# Altium PCB Mainboard.PcbDoc (part 2 of 2)
Units mm, origin at the board's own origin, x right, y up, seen from the top; angles counter-clockwise.
Board outline 100 x 200 mm, 2 copper layers (Top Layer, Bottom Layer); 139 components, 82 nets, 458 pads, 0 vias.
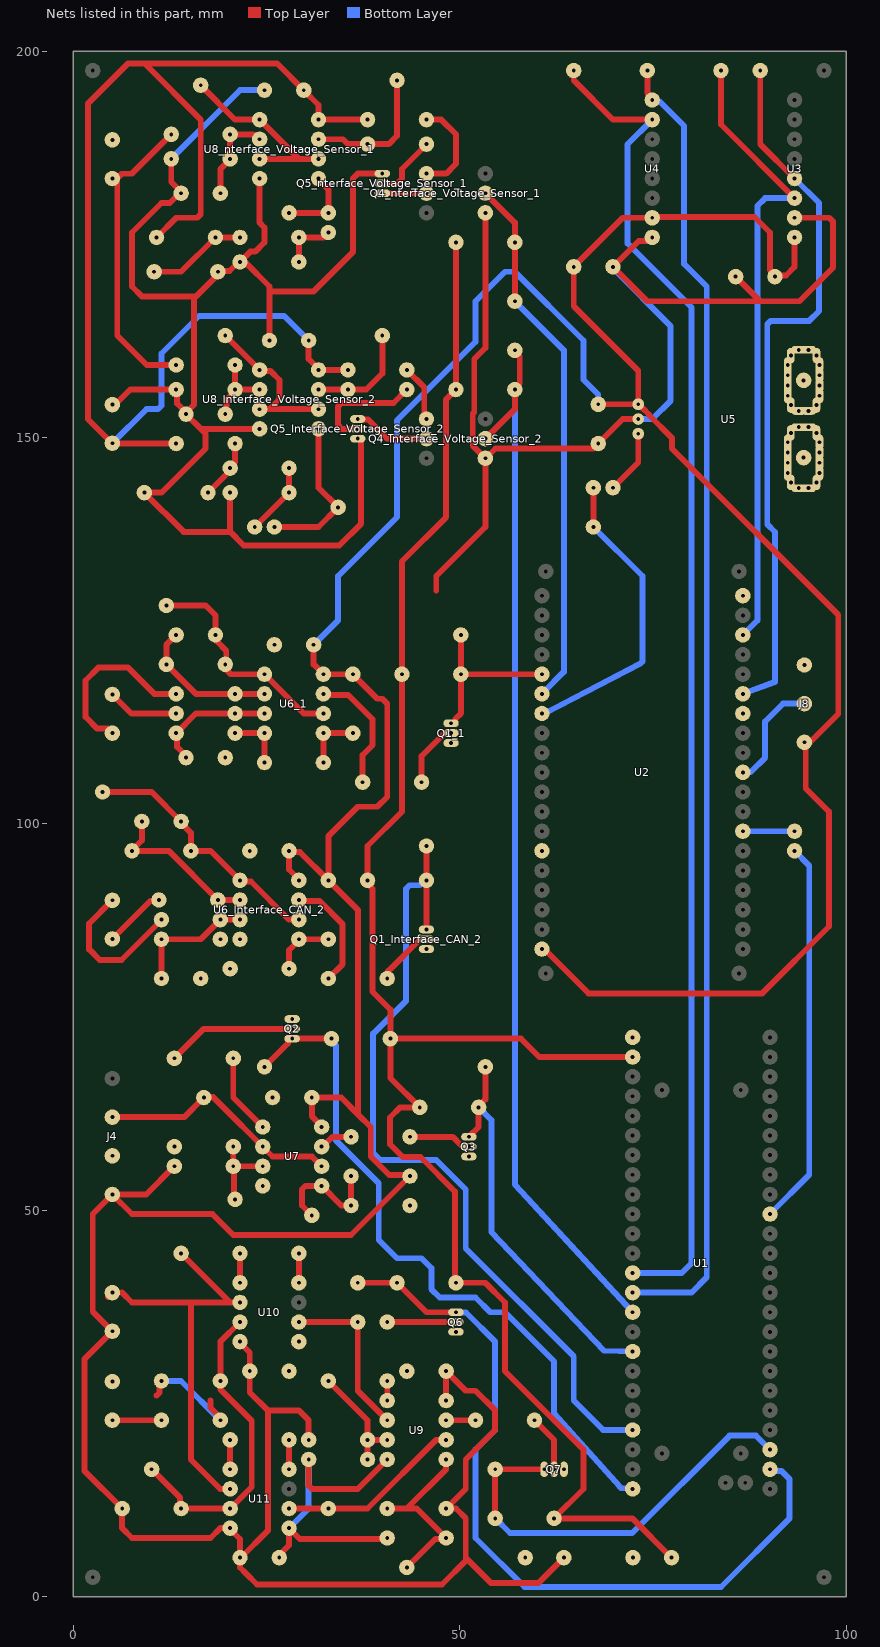
[diagram p2: the nets of this part, all layers, seen from the top]

## Part data
C1 C2 C3 C4_1 C4_Interface_CAN_2 C5_1 C5_Interface_CAN_2 C6_1 C6_Interface_CAN_2 C7 C8_Interface_Voltage_Sensor_2 C8_nterface_Voltage_Sensor_1 C10_Interface_Voltage_Sensor_2 C10_nterface_Voltage_Sensor_1 C11 C12 C13: library part CAP
D2_Interface_Voltage_Sensor_2 D2_nterface_Voltage_Sensor_1: library part CMP-004-00078-1, "Zener Diode, 6.2V V(Z), 4.84%, 0.5W, Silicon, DO-204AA"
P1: "Header, 2-Pin", LatestRevisionDate=17-Jul-2002, LatestRevisionNote="Re-released for DXP Platform.", Publisher="Altium Limited"
Q1_1 Q1_Interface_CAN_2 Q2 Q3 Q5_Interface_Voltage_Sensor_2 Q5_nterface_Voltage_Sensor_1 Q6 Q7: library part NPN, "NPN Bipolar Transistor", Code_JEDEC=TO-226-AA, LatestRevisionDate=17-Jul-2002, LatestRevisionNote="Re-released for DXP Platform.", PackageDescription="TO, Flat Index; 3 In-Line, Axial Leads; Body Dia. 4.8mm; Leads 0.55 x 0.51 mm (max)", PackageReference=TO-226-AA, Published=8-Jun-2000, Publisher="Altium Limited"
Q4_Interface_Voltage_Sensor_2 Q4_nterface_Voltage_Sensor_1: library part CMP-00026-00001-1, "VISHAY 4N25 Transistor Output Optocoupler, 1 Channel, DIP, 6 Pins, 60 mA, 5 kV, 20 %"
R1_1 R1_Interface_CAN_2 R2_1 R2_Interface_CAN_2 R3_1 R3_Interface_CAN_2 R4_1 R4_Interface_CAN_2 R5_1 R5_Interface_CAN_2 R6_1 R6_Interface_CAN_2 R7_1 R7_Interface_CAN_2 R8_1 R8_Interface_CAN_2 R9 R10 R11 R12 R13 R14 R15 R16 R17_Interface_Voltage_Sensor_2 R17_nterface_Voltage_Sensor_1 R18_Interface_Voltage_Sensor_2 R18_nterface_Voltage_Sensor_1 R20_Interface_Voltage_Sensor_2 R20_nterface_Voltage_Sensor_1 R22_Interface_Voltage_Sensor_2 R22_nterface_Voltage_Sensor_1 R23_Interface_Voltage_Sensor_2 R23_nterface_Voltage_Sensor_1 R24_Interface_Voltage_Sensor_2 R24_nterface_Voltage_Sensor_1 R25 R26 R27 R28 R29 R30 R31 R32 R33 R34 R35 R36 R37: "Resistor", LatestRevisionDate=17-Jul-2002, LatestRevisionNote="Re-released for DXP Platform.", PackageDescription="Axial Device, Thru-Hole; 2 Leads; 0.3 in Pin Spacing", PackageReference=AXIAL-0.3, Published=8-Jun-2000, Publisher="Altium Limited"
R19_Interface_Voltage_Sensor_2 R19_nterface_Voltage_Sensor_1 R21_Interface_Voltage_Sensor_2 R21_nterface_Voltage_Sensor_1: library part Res1, "Resistor", LatestRevisionDate=17-Jul-2002, LatestRevisionNote="Re-released for DXP Platform.", PackageDescription="Axial Device, Thru-Hole; 2 Leads; 0.3 in Pin Spacing", PackageReference=AXIAL-0.3, Published=8-Jun-2000, Publisher="Altium Limited"
TP1 TP2 TP3 TP4 TP5 TP6_1 TP6_Interface_CAN_2 TP7_1 TP7_2 TP8 TP9 TP10 TP11 TP12 TP13_Interface_Voltage_Sensor_2 TP13_nterface_Voltage_Sensor_1 TP14_Interface_Voltage_Sensor_2 TP14_nterface_Voltage_Sensor_1 TP15_Interface_Voltage_Sensor_2 TP15_nterface_Voltage_Sensor_1 TP16_Interface_Voltage_Sensor_2 TP16_nterface_Voltage_Sensor_1 TP17 TP18 TP19 TP20 TP21 TP22 TP23 TP24: library part CMP-002-00037-2, "Test Point, Orange, Height 4.6 mm, Tail Length 3 mm, 1-Pin THD, RoHS", Colour=Orange, Manufacturer=Keystone, Package Description="1-Pin Through Hole Device, Dia 2.54 mm", Package Quantity=10, Case/Package=5003, Connector Type=TestPoint, Contact Material=Bronze, Contact Plating=Tin, Datasheet URL=http://keyelco.com/userAssets/file/M65p56.pdf, Datasheet Version=Jun-15, Diameter=2.54mm, Manufacturer URL=http://www.keyelco.com/, Mounting Technology=TH, Package Reference=5003, Packaging=Bulk, Pins=1, RoHS Compliant=True
U1: "Lattice UltraPlus ICE40UP5K FPGA with 5.3K LUTs, 1Mb SPRAM, 120Kb DPRAM, 8 Multipliers"
U2: library part CMP-027-000000-1, "NodeMCU is an open source loT platform. ESP32 is a series of low cost, low powersystem-on-chip (SoC) microcontrollers with integrated Wi-Fi & dual-mode Bluetooth.", Package=Package, Check_prices=https://www.snapeda.com/parts/ESP32%20NODEMCU/Espressif+Systems/view-part/?ref=eda, Component Type=Standard, Design Item ID=ESP32_NODEMCU, MF="Espressif Systems", MP="ESP32 NODEMCU", Pin Count=38, SnapEDA_Link=https://www.snapeda.com/parts/ESP32%20NODEMCU/Espressif+Systems/view-part/?ref=snap, Source=ESP32_NODEMCU.SchLib
U3: "3 Axis Accelerometer Gyroscope Module 6 DOF 6-Axis Acceleration Sensor Gyroscope Sensor Module 16 Bit AD Converter Data Output IIC for Arduino"
U4: "3-axis accelerometer with high resolution (13-bit) measurement at up to ±16 g. Digital output data is formatted as 16-bit twos complement and is accessible through SPI or I2C digital interface."
U5: library part CMP-029-000000-1, "Current Sensor 100A 1 Channel Hall Effect Unidirectional 5-CB Formed Leads, PFF", Package="5-CB-5 Allegro MicroSystems LLC", Arrow_Electronics-Purchase-URL=https://snapeda.com/shop?store=Arrow+Electronics&id=2783431, Availability=Bad, Check_prices=https://www.snapeda.com/parts/ACS772LCB-100U-PFF-T/Allegro%20MicroSystems%20LLC/view-part/2783431/?ref=eda, Component Type=Standard, Design Item ID=ACS772LCB-100U-PFF-T, MF="Allegro MicroSystems LLC", MP=ACS772LCB-100U-PFF-T, Pin Count=37, Price=None, SnapEDA_Link=https://www.snapeda.com/parts/ACS772LCB-100U-PFF-T/Allegro%20MicroSystems%20LLC/view-part/2783431/?ref=snap, Source=ACS772LCB-100U-PFF-T.SchLib
U6_1 U6_Interface_CAN_2 U7 U8_Interface_Voltage_Sensor_2 U8_nterface_Voltage_Sensor_1 U9: library part CMP-014-00023-2, "Dual Operational Amplifier, 3 to 32 V, 0 to 70 degC, 8-Pin PDIP (P), Pb-Free (RoHS), Tube", Case/Package=DIP, Manufacturer="Texas Instruments (TI)", Max Dual Supply Voltage=16V, Max Operating Temperature=70°C, Min Dual Supply Voltage=1.5V, Min Operating Temperature=0°C, Nominal Supply Current=1.2mA, Nominal Supply Voltage=5V, Nominal Voltage Gain=100dB, Output Current=30mA, Package Description="8-Pin Double In-line Package, Body 9.59 x 6.35 mm, Pitch 2.54 mm", Package Quantity=50, Package Reference=P0008A, Package Version="4040082/E, 04/2010", Channels=2, Common Mode Rejection Ratio=65dB, Datasheet URL=http://www.ti.com/lit/ds/symlink/lm358a.pdf, Datasheet Version="SLOS068T, 04/2015", Manufacturer URL=http://www.ti.com/, Max Supply Voltage=16V, Min Supply Voltage=1.5V, Mounting Technology=TH, Nominal Gain Bandwith Product=700KHz, Package URL=http://www.ti.com/lit/ml/mpdi001b/mpdi001b.pdf, Packaging=Rail/Tube, Pins=8, RoHS Compliant=True, Slew Rate=0.3V/us, Unity Gain Bandwidth Product=700KHz
U10 U11: library part CMP-014-00006-1, "Instrumentation Amplifier, 1 Func, 250uV Offset-Max, 0.12MHz Band Width, PDIP8", Average Bias Current-Max (IIB)=-25nA, Case/Package=DIP, Input Offset Current-Max (IIO)=2nA, Input Offset Voltage-Max=250uV, Max Operating Temperature=85°C, Max Supply Current=85uA, Min Operating Temperature=-40°C, Neg Supply Voltage Limit-Max=-18V, Nominal Supply Voltage=15V, Package Body Material=Plastic, Package Equivalence Code=DIP8,.3, Package Shape=Rectangular, Package Style=IN-LINEMeter, Power Supplies=2.2/36/+-18V, Supply Voltage Limit-Max=18V, Temperature Grade=INDUSTRIAL, Voltage Gain-Max=10000, Voltage Gain-Min=5, Voltage Gain-Nom=100, Amplifier Type="INSTRUMENTATION AMPLIFIER", Bandwidth (3dB)-Nom=120kHz, Channels=1, Common Mode Rejection Ratio-Min=83dB, Height - Seated (Max)=5.08mm, JESD-30 Code=R-PDIP-T8, JESD-609 Code=e4, Length=9.81mm, Non-linearity-Max=0.012%, Pins=8, Qualification Status="Not Qualified", Reach SVHC Compliant=Yes, RoHS Compliant=Yes, Slew Rate=0.08V/µs, Surface Mount=No, Terminal Finish=Nickel, Terminal Form="Through Hole", Terminal Pitch=2.54mm, Terminal Position=DUAL, Width=7.62mm

## Free pads (board coordinates)
  round 2 hole 0.5: 2(2.54,2.54) 2(2.54,197.485) 2(97.155,2.54) 2(97.155,197.485)

## Nets (pads, with @x,y where several pads share a name; then routed paths per layer and width w, separated by ;. In a path a pad name is that pad's centre, name@x,y a point inside that pad or via, vN(x,y) a via of type N, cw(c..) or ccw(c..) an arc to the next point about the centre after c; other vN are vias at no path point)
+3.3V: J5.2 R2_1.2 R2_Interface_CAN_2.2 R9.2 R13.2 R18_Interface_Voltage_Sensor_2.2 R18_nterface_Voltage_Sensor_1.2 R25.2 R33.2 U1.2 | length 240.9
  Top Layer w0.762: R18_nterface_Voltage_Sensor_1.2@49.53,175.26 R18_Interface_Voltage_Sensor_2.2@49.53,156.21 48.26,154.94 48.26,139.7 42.545,133.985 R2_1.2@42.545,119.38 42.545,101.6 38.1,97.155 R2_Interface_CAN_2.2@38.1,92.71 38.222,92.588 38.222,92.137 38.735,91.624 38.735,78.312 41.045,76.002 R9.2@41.045,72.226 ; U1.2@72.39,69.85 60.325,69.85 57.949,72.226 R9.2@41.045,72.226 ; J5.2@77.43,5.08 72.35,10.16 R33.2@62.23,10.16 66.04,13.97 66.04,19.05 55.88,29.21 55.88,38.1 53.34,40.64 R25.2@49.53,40.64 49.411,40.759 49.411,52.43 44.938,56.903 42.666,56.903 41.008,58.561 41.008,62.029 42.315,63.336 R13.2@44.855,63.336 41.045,67.146 R9.2@41.045,72.226
+5V: C1.1 C2.1 C3.1 C5_1.1 C5_Interface_CAN_2.1 C7.1 C11.1 C12.1 C13.1 J3.2 J4.4 J8.1 J11.2 R6_1.1 R6_Interface_CAN_2.1 R11.1 R15.1 R26.2 R28.1 R35.1 U2.J5_1 U3.1 U4.2 U5.1 U6_1.8 U6_Interface_CAN_2.8 U7.8 U9.8 U10.4 U11.4 | length 627.1
  Top Layer w0.762: R11.1@13.105,55.716 9.458,52.07 J4.4@5.08,52.07 ; U10.4@21.59,33.02 21.59,32.883 22.86,31.613 C11.1@22.86,29.21 22.86,26.451 25.181,24.13 25.238,24.13 ; U6_Interface_CAN_2.8@29.21,92.71 29.21,92.847 27.94,94.117 C5_Interface_CAN_2.1@27.94,96.52 28.096,96.364 29.366,96.364 R6_Interface_CAN_2.1@33.02,92.71 ; R28.1@30.48,20.32 30.48,22.86 29.21,24.13 25.238,24.13 ; C5_1.1@31.115,123.19 31.115,120.65 U6_1.8@32.385,119.38 R6_1.1@36.195,119.38 39.37,116.205 40.005,116.205 40.64,115.57 40.64,103.505 39.37,102.235 36.83,102.235 33.02,98.425 R6_Interface_CAN_2.1@33.02,92.71 ; U7.8@32.155,60.796 32.155,60.933 30.885,62.203 C7.1@30.885,64.606 34.695,64.606 36.839,62.461 ; U9.8@48.26,25.4 C13.1@48.26,29.21 50.8,26.67 52.07,26.67 54.61,24.13 54.61,21.59 50.8,17.78 50.8,13.97 R35.1@48.26,11.43 49.53,11.43 50.8,10.16 50.8,5.08 ; U2.J5_1@60.96,83.82 66.692,78.088 89.148,78.088 97.79,86.73 97.79,101.6 94.79,104.6 J8.1@94.79,110.57 ; J3.2@63.5,5.08 60.194,1.774 54.106,1.774 51.005,4.875 50.8,5.08 ; C3.1@67.945,154.305 67.947,154.307 73.117,154.307 U5.1@73.12,154.31 ; C1.1@90.805,170.815 90.961,170.971 92.231,170.971 93.345,172.085 U3.1@93.345,175.895 ; C1.1@90.805,171.033 90.17,171.668 90.17,176.53 88.173,178.527 75.022,178.527 U4.2@74.93,178.435 71.12,178.435 C2.1@64.77,172.085 64.77,167.005 73.12,158.655 U5.1@73.12,154.31 ; J8.1@94.615,110.57 J8.1@94.79,110.57 ; J4.4@5.08,52.07 7.62,49.53 18.021,49.53 20.725,46.826 35.965,46.826 R15.1@43.585,54.446 43.465,54.566 40.925,54.566 38.505,56.986 38.505,60.796 36.839,62.461 ; J4.4@5.08,52.07 2.54,49.53 2.54,36.91 J11.2@5.08,34.37 1.453,30.743 1.453,16.327 R26.2@6.35,11.43 6.35,8.89 7.62,7.62 17.78,7.62 19.05,8.89 U11.4@20.32,8.89 20.32,8.753 21.59,7.483 C12.1@21.59,5.08 C12.1@21.59,4.957 ; C12.1@21.59,4.957 25.238,8.605 25.238,24.13 ; C12.1@21.59,4.957 21.59,3.81 22.323,3.077 23.802,1.598 47.728,1.598 50.8,4.67 50.8,5.08 ; R6_Interface_CAN_2.1@33.02,92.71 36.839,88.891 36.839,62.461 ; U5.1@73.12,154.31 73.645,153.785 73.694,153.785 74.505,152.974 74.505,152.925 77.47,149.96 77.47,148.581 98.992,127.059 98.992,114.223 95.339,110.57 J8.1@94.79,110.57
  Bottom Layer w0.762: C5_1.1@31.115,123.19 34.29,126.365 34.29,132.08 41.91,139.7 41.91,152.224 52.07,162.384 52.07,167.64 55.88,171.45 57.15,171.45 66.04,162.56 66.04,157.48 67.945,155.575 C3.1@67.945,154.305
ACC1_I2C_SCL: TP1.1 U2.J4_6 U3.4 | length 92.8
  Top Layer w0.762: TP1.1@88.9,197.485 88.9,187.96 U3.4@93.345,183.515
  Bottom Layer w0.762: U2.J4_6@86.66,116.84 90.805,118.375 90.805,137.768 89.804,138.769 89.804,164.654 90.251,165.1 95.25,165.1 96.52,166.37 96.52,180.34 U3.4@93.345,183.515
ACC1_I2C_SDA: TP2.1 U2.J4_3 U3.3 | length 82
  Top Layer w0.762: TP2.1@83.82,197.485 83.82,190.5 U3.3@93.345,180.975
  Bottom Layer w0.762: U2.J4_3@86.66,124.46 88.542,126.342 88.542,179.982 89.535,180.975 U3.3@93.345,180.975
ACC2_I2C_SCL: TP3.1 U1.14 U4.8 | length 170.2
  Top Layer w0.762: TP3.1@74.295,197.485 74.295,194.564 74.93,193.929 U4.8@74.93,193.675
  Bottom Layer w0.762: U1.14@72.39,39.37 80.01,39.37 81.986,41.346 81.986,169.532 79.041,172.477 79.041,190.335 75.881,193.496 75.109,193.496 U4.8@74.93,193.675
ACC2_I2C_SDA: TP4.1 U1.13 U4.7 | length 174.4
  Top Layer w0.762: TP4.1@64.77,197.485 64.77,196.215 69.85,191.135 U4.7@74.93,191.135
  Bottom Layer w0.762: U1.13@72.39,41.91 78.74,41.91 80.01,43.18 80.01,166.847 71.735,175.122 71.735,187.94 U4.7@74.93,191.135
CAN_1_H: J7.2 R3_1.1 | length 22.9
  Top Layer w0.762: J7.2@5.08,111.76 4.508,112.332 3.125,112.332 1.594,113.863 1.594,118.561 3.259,120.227 7.117,120.227 10.503,116.84 R3_1.1@13.335,116.84
CAN_1_L: J7.1 R5_1.1 | length 9.3
  Top Layer w0.762: J7.1@5.08,116.76 7.54,114.3 R5_1.1@13.335,114.3
CAN_2_H: J10.2 R3_Interface_CAN_2.1 | length 8.1
  Top Layer w0.762: J10.2@5.08,85.13 9.998,90.048 10.982,90.048 R3_Interface_CAN_2.1@11.104,90.17
CAN_2_L: J10.1 R5_Interface_CAN_2.1 | length 19.7
  Top Layer w0.762: J10.1@5.08,90.13 2.074,87.124 2.074,83.783 3.451,82.405 6.259,82.405 R5_Interface_CAN_2.1@11.43,87.576
CAN_DATA.CAN_DIG_1: Q1_1.1 R2_1.1 TP6_1.1 U2.J5_15 | length 22.4
  Top Layer w0.762: Q1_1.1@48.895,113.03 49.331,113.03 49.441,113.14 49.441,113.576 50.203,114.338 R2_1.1@50.203,119.085 ; TP6_1.1@50.165,124.46 R2_1.1@50.165,119.38 U2.J5_15@60.66,119.38
CAN_DATA.CAN_DIG_2: Q1_Interface_CAN_2.1 R2_Interface_CAN_2.1 TP6_Interface_CAN_2.1 U1.21 | length 106.2
  Top Layer w0.762: Q1_Interface_CAN_2.1@45.72,86.36 R2_Interface_CAN_2.1@45.72,92.71 TP6_Interface_CAN_2.1@45.72,97.155 TP6_Interface_CAN_2.1@45.82,97.055
  Bottom Layer w0.762: R2_Interface_CAN_2.1@45.72,92.71 45.466,92.71 44.831,92.075 43.53,92.075 43.084,91.629 43.084,77.133 38.822,72.872 38.822,57.439 39.746,56.515 46.99,56.515 50.8,52.705 50.8,45.085 64.77,31.115 64.77,25.4 68.58,21.59 U1.21@72.39,21.59
CAN_DIFF_Interface_CAN_1: C4_1.2 R1_1.2 TP7_1.1 U6_1.1 U6_1.6 | length 29.4
  Top Layer w0.762: TP7_1.1@12.065,128.27 17.145,128.27 18.415,127 C4_1.2@18.415,124.46 18.571,124.304 18.571,123.669 19.807,122.433 19.807,119.963 20.39,119.38 U6_1.1@24.765,119.38 29.845,114.3 U6_1.6@32.385,114.3
CAN_DIFF_Interface_CAN_2: C4_Interface_CAN_2.2 R1_Interface_CAN_2.2 TP7_2.1 U6_Interface_CAN_2.1 U6_Interface_CAN_2.6 | length 33.7
  Top Layer w0.762: TP7_2.1@3.81,104.14 10.16,104.14 C4_Interface_CAN_2.2@13.97,100.33 13.97,100.14 15.24,98.87 R1_Interface_CAN_2.2@15.24,96.52 17.78,96.52 21.751,92.549 23.021,92.549 27.94,87.63 U6_Interface_CAN_2.6@29.21,87.63
CUR_1_VAL: J1.2 TP5.1 U2.J5_13 | length 39.5
  Top Layer w0.762: TP5.1@67.31,138.43 J1.2@67.31,143.51
  Bottom Layer w0.762: U2.J5_13@60.96,114.3 73.354,120.731 73.437,120.815 73.66,121.038 73.66,132.08 TP5.1@67.31,138.43
CUR_2_VAL: J4.2 TP10.1 U7.2 U7.6 | length 31.9
  Top Layer w0.762: J4.2@5.08,62.07 14.378,62.07 TP10.1@16.915,64.606 16.973,64.665 18.126,64.665 25.805,56.986 30.885,56.986 U7.6@32.155,55.716
CUR_DATA.CUR_DIG.DNGR: Q2.1 R9.1 TP8.1 U1.24 | length 91.1
  Top Layer w0.762: TP8.1@24.765,68.58 27.799,71.614 27.799,72.116 27.909,72.226 Q2.1@28.345,72.226 R9.1@33.425,72.226
  Bottom Layer w0.762: R9.1@33.425,72.226 33.425,71.891 33.998,71.318 33.998,59.084 39.544,53.537 39.544,46.181 41.91,43.815 45.085,43.815 46.355,42.545 46.355,39.816 47.436,38.735 52.07,38.735 53.975,36.83 55.88,36.83 62.23,30.48 62.23,23.708 70.705,14.286 70.926,14.065 U1.24@72.391,13.987
CUR_DATA.CUR_DIG.WARN: Q3.1 R13.1 TP9.1 U1.17 | length 52.1
  Top Layer w0.762: Q3.1@51.75,59.636 51.64,59.526 Q3.1@51.205,59.526 52.475,60.796 R13.1@52.475,63.27 ; R13.1@52.475,63.336 52.475,63.509 53.34,64.374 TP9.1@53.34,68.58
  Bottom Layer w0.762: R13.1@52.475,63.336 54.119,61.692 54.119,47.227 68.686,31.85 U1.17@72.39,31.75
DATA: J8.2 U2.J4_10 | length 14.4
  Bottom Layer w0.762: U2.J4_10@86.66,106.68 86.699,106.719 87.669,106.719 89.535,108.585 89.535,113.255 91.85,115.57 J8.2@94.615,115.57
GKART: C8_Interface_Voltage_Sensor_2.2 C8_nterface_Voltage_Sensor_1.2 C10_Interface_Voltage_Sensor_2.2 C10_nterface_Voltage_Sensor_1.2 D2_Interface_Voltage_Sensor_2.2 D2_nterface_Voltage_Sensor_1.2 J9.1 Q5_Interface_Voltage_Sensor_2.3 Q5_nterface_Voltage_Sensor_1.3 R21_Interface_Voltage_Sensor_2.1 R21_nterface_Voltage_Sensor_1.1 R24_Interface_Voltage_Sensor_2.1 R24_nterface_Voltage_Sensor_1.1 U8_Interface_Voltage_Sensor_2.4 U8_nterface_Voltage_Sensor_1.4 | length 204.4
  Top Layer w0.762: J9.1@5.08,154.265 5.458,154.265 7.403,156.21 R21_Interface_Voltage_Sensor_2.1@13.335,156.21 13.457,156.088 13.457,154.403 14.605,153.255 C10_Interface_Voltage_Sensor_2.2@14.605,153.035 ; R21_nterface_Voltage_Sensor_1.1@12.7,186.055 12.7,183.07 13.97,181.8 C10_nterface_Voltage_Sensor_1.2@13.97,181.61 13.78,181.61 12.51,180.34 11.43,180.34 7.62,176.53 7.62,169.545 8.89,168.275 15.922,168.275 18.632,170.984 18.632,171.357 18.818,171.543 20.241,171.543 21.417,172.72 R24_nterface_Voltage_Sensor_1.1@21.59,172.72 ; 15.636,168.036 15.636,154.261 14.605,153.23 C10_Interface_Voltage_Sensor_2.2@14.605,153.035 ; R24_Interface_Voltage_Sensor_2.1@20.32,142.875 20.32,137.795 ; U8_Interface_Voltage_Sensor_2.4@24.13,151.13 16.51,151.13 ; U8_nterface_Voltage_Sensor_1.4@24.13,183.515 24.13,177.8 24.765,177.165 24.765,175.26 23.556,174.051 22.921,174.051 R24_nterface_Voltage_Sensor_1.1@21.59,172.72 ; C8_Interface_Voltage_Sensor_2.2@25.182,162.56 C8_Interface_Voltage_Sensor_2.2@25.4,162.56 25.4,168.91 ; Q5_Interface_Voltage_Sensor_2.3@36.83,149.86 37.154,149.86 37.264,149.75 37.264,138.864 34.431,136.031 22.084,136.031 20.32,137.795 ; Q5_nterface_Voltage_Sensor_1.3@40.005,184.15 36.83,184.15 36.195,183.515 36.195,173.99 31.115,168.91 25.4,168.91 ; C10_Interface_Voltage_Sensor_2.2@14.605,153.035 16.51,151.13 ; 16.51,151.13 17.145,150.495 17.145,148.59 11.43,142.875 D2_Interface_Voltage_Sensor_2.2@9.215,142.875 14.295,137.795 20.32,137.795 ; R24_nterface_Voltage_Sensor_1.1@21.59,172.72 21.712,172.598 22.347,172.598 25.402,169.543 25.402,168.912 25.4,168.91
  Bottom Layer w0.762: R21_nterface_Voltage_Sensor_1.1@12.7,186.055 21.59,194.945 C8_nterface_Voltage_Sensor_1.2@24.765,194.945
GND: C1.2 C2.2 C3.2 C5_1.2 C5_Interface_CAN_2.2 C6_1.2 C6_Interface_CAN_2.2 C7.2 C11.2 C12.2 C13.2 J3.1 J4.3 J5.1 J8.3 J12.1 Q1_1.3 Q1_Interface_CAN_2.3 Q2.3 Q3.3 Q4_Interface_Voltage_Sensor_2.4 Q4_nterface_Voltage_Sensor_1.4 Q6.3 Q7.3 R7_1.1 R7_Interface_CAN_2.1 R8_1.2 R8_Interface_CAN_2.2 R12.1 R16.1 R29.1 R30.1 R31.1 R36.1 U1.1 U2.J4_1 U2.J4_7 U2.J5_6 U3.2 U4.1 U5.2 U6_1.4 U6_Interface_CAN_2.4 U7.4 U9.4 U10.5 U11.5 | length 220.4
  Top Layer w0.762: 10.795,26.035 11.193,26.433 11.193,27.703 R30.1@11.43,27.94 ; 17.78,25.4 17.78,24.465 19.05,23.195 R31.1@19.05,22.86 ; R7_1.1@20.955,111.76 U6_1.4@24.765,111.76 R8_1.2@24.765,107.95 ; C12.2@26.67,5.08 26.67,5.415 27.94,6.685 U11.5@27.94,8.89 29.337,7.493 40.513,7.493 R36.1@40.64,7.62 ; Q2.3@28.299,74.812 Q2.3@28.345,74.766 ; R29.1@30.48,17.78 30.48,14.416 30.926,13.97 36.823,13.97 40.633,17.78 U9.4@40.64,17.78 ; 46.99,130.175 46.99,132.08 53.34,138.43 Q4_Interface_Voltage_Sensor_2.4@53.34,147.32 ; Q6.3@49.484,34.244 Q6.3@49.53,34.29 ; Q4_nterface_Voltage_Sensor_1.4@53.34,179.07 53.34,161.594 51.905,160.159 51.905,153.277 51.705,153.077 51.705,148.955 Q4_Interface_Voltage_Sensor_2.4@53.34,147.32 ; Q7.3@63.485,16.495 Q7.3@63.5,16.51 ; U5.2@73.12,152.4 71.12,152.4 C3.2@67.945,149.225 67.31,148.59 54.641,148.59 53.371,147.32 Q4_Interface_Voltage_Sensor_2.4@53.34,147.32 ; U4.1@74.93,175.895 74.461,175.426 73.191,175.426 C2.2@69.85,172.085 74.295,167.64 88.9,167.64 ; C1.2@85.725,170.815 88.9,167.64 ; U3.2@93.345,178.435 97.82,178.435 98.334,177.921 98.334,171.994 93.98,167.64 88.9,167.64
  Bottom Layer w0.762: R30.1@11.43,27.94 13.97,27.94 R31.1@19.05,22.86 ; U11.5@27.94,8.89 30.48,11.43 R29.1@30.48,17.78 ; C2.2@69.85,172.085 69.85,171.865 77.311,164.404 77.311,154.781 74.93,152.4 U5.2@73.12,152.4
I_VREF_DNGR: R11.2 R12.2 TP11.1 U7.3 | length 10.7
  Top Layer w0.762: R12.2@20.725,58.256 R11.2@20.725,55.716 ; TP11.1@20.955,51.435 20.84,51.55 20.84,55.601 R11.2@20.725,55.716 ; U7.3@24.535,55.716 R11.2@20.725,55.716
I_VREF_WARN: R15.2 R16.2 TP12.1 U7.5 | length 15.3
  Top Layer w0.762: TP12.1@30.885,49.366 29.615,50.636 29.615,52.73 30.061,53.176 U7.5@32.155,53.176 34.695,50.636 R16.2@35.965,50.636 R15.2@35.965,54.446
INA_DNGR: TP21.1 U9.2 U10.6 | length 21.9
  Top Layer w0.762: U10.6@29.21,35.56 TP21.1@36.83,35.56 36.83,26.67 U9.2@40.64,22.86
INA_WARN: TP22.1 U9.6 U11.6 | length 24
  Top Layer w0.762: U11.6@27.94,11.43 TP22.1@33.02,11.43 38.1,11.43 46.99,20.32 U9.6@48.26,20.32
KVCC_Interface_Voltage_Sensor_2: C8_Interface_Voltage_Sensor_2.1 C8_nterface_Voltage_Sensor_1.1 J9.2 R17_Interface_Voltage_Sensor_2.2 R17_nterface_Voltage_Sensor_1.2 R22_Interface_Voltage_Sensor_2.1 R22_nterface_Voltage_Sensor_1.1 U8_Interface_Voltage_Sensor_2.8 U8_nterface_Voltage_Sensor_1.8 | length 171.2
  Top Layer w0.762: J9.2@5.08,149.225 1.905,152.4 1.905,193.188 7.132,198.416 9.229,198.416 ; J9.2@5.08,149.265 5.1,149.245 13.315,149.245 R22_Interface_Voltage_Sensor_2.1@13.335,149.225 ; R22_nterface_Voltage_Sensor_1.1@10.795,175.895 13.335,178.435 16.064,178.435 16.51,178.881 16.51,191.135 9.229,198.416 ; C8_Interface_Voltage_Sensor_2.1@30.48,162.56 30.48,160.157 31.75,158.887 U8_Interface_Voltage_Sensor_2.8@31.75,158.75 R17_Interface_Voltage_Sensor_2.2@35.56,158.75 ; R17_nterface_Voltage_Sensor_1.2@38.1,191.135 U8_nterface_Voltage_Sensor_1.8@31.75,191.135 31.75,193.04 C8_nterface_Voltage_Sensor_1.1@29.845,194.945 26.374,198.416 9.229,198.416
  Bottom Layer w0.762: J9.2@5.08,149.265 9.485,153.67 10.984,153.67 11.43,154.116 11.43,160.868 16.297,165.735 27.305,165.735 C8_Interface_Voltage_Sensor_2.1@30.48,162.56
NetC4_Interface_CAN_1_1: C4_1.1 R1_1.1 R3_1.2 U6_1.2 | length 18.6
  Top Layer w0.762: C4_1.1@13.335,124.46 12.065,123.19 R1_1.1@12.065,120.65 15.875,116.84 R3_1.2@20.955,116.84 U6_1.2@24.765,116.84
NetC4_Interface_CAN_2_1: C4_Interface_CAN_2.1 R1_Interface_CAN_2.1 R3_Interface_CAN_2.2 U6_Interface_CAN_2.2 | length 20.9
  Top Layer w0.762: C4_Interface_CAN_2.1@8.89,100.33 8.89,97.856 7.62,96.586 R1_Interface_CAN_2.1@7.62,96.52 12.374,96.52 R3_Interface_CAN_2.2@18.724,90.17 U6_Interface_CAN_2.2@21.59,90.17
NetC6_Interface_CAN_1_1: C6_1.1 R5_1.2 R7_1.2 U6_1.3 | length 16.2
  Top Layer w0.762: C6_1.1@14.605,108.585 14.605,108.805 13.457,109.953 13.457,111.638 R7_1.2@13.335,111.76 15.875,114.3 R5_1.2@20.955,114.3 U6_1.3@24.765,114.3
NetC6_Interface_CAN_2_1: C6_Interface_CAN_2.1 R5_Interface_CAN_2.2 R7_Interface_CAN_2.2 U6_Interface_CAN_2.3 | length 16.3
  Top Layer w0.762: C6_Interface_CAN_2.1@11.43,80.01 R7_Interface_CAN_2.2@11.43,85.09 16.51,85.09 R5_Interface_CAN_2.2@19.05,87.63 U6_Interface_CAN_2.3@21.59,87.63
NetC10_Interface_Voltage_Sensor_2_1: C10_Interface_Voltage_Sensor_2.1 R19_Interface_Voltage_Sensor_2.2 R21_Interface_Voltage_Sensor_2.2 U8_Interface_Voltage_Sensor_2.2 | length 10.1
  Top Layer w0.762: C10_Interface_Voltage_Sensor_2.1@19.685,153.035 19.841,153.191 19.841,154.923 20.955,156.037 R21_Interface_Voltage_Sensor_2.2@20.955,156.21 ; R19_Interface_Voltage_Sensor_2.2@20.955,159.385 R21_Interface_Voltage_Sensor_2.2@20.955,156.21 ; U8_Interface_Voltage_Sensor_2.2@24.13,156.21 R21_Interface_Voltage_Sensor_2.2@20.955,156.21
NetC10_nterface_Voltage_Sensor_1_1: C10_nterface_Voltage_Sensor_1.1 R19_nterface_Voltage_Sensor_1.2 R21_nterface_Voltage_Sensor_1.2 U8_nterface_Voltage_Sensor_1.2 | length 12.2
  Top Layer w0.762: C10_nterface_Voltage_Sensor_1.1@19.05,181.61 19.05,184.719 20.32,185.989 R21_nterface_Voltage_Sensor_1.2@20.32,186.055 R19_nterface_Voltage_Sensor_1.2@20.32,189.23 23.295,189.23 23.93,188.595 U8_nterface_Voltage_Sensor_1.2@24.13,188.595
NetD2_Interface_Voltage_Sensor_2_1: D2_Interface_Voltage_Sensor_2.1 R22_Interface_Voltage_Sensor_2.2 R23_Interface_Voltage_Sensor_2.1 | length 8.1
  Top Layer w0.762: D2_Interface_Voltage_Sensor_2.1@17.455,142.875 20.198,145.618 20.198,145.928 R23_Interface_Voltage_Sensor_2.1@20.32,146.05 20.32,146.223 20.955,146.858 R22_Interface_Voltage_Sensor_2.2@20.955,149.225 R22_Interface_Voltage_Sensor_2.2@21.265,149.225
NetD2_nterface_Voltage_Sensor_1_1: D2_nterface_Voltage_Sensor_1.1 R22_nterface_Voltage_Sensor_1.2 R23_nterface_Voltage_Sensor_1.1 | length 12.9
  Top Layer w0.762: D2_nterface_Voltage_Sensor_1.1@10.485,171.45 13.97,171.45 R22_nterface_Voltage_Sensor_1.2@18.415,175.895 R23_nterface_Voltage_Sensor_1.1@21.59,175.895
NetJ1_1: J1.1 U5.3 | length 8.3
  Top Layer w0.762: J1.1@69.85,143.51 73.12,146.78 U5.3@73.12,150.49
NetJ2_Interface_Voltage_Sensor_2_1: J2_Interface_Voltage_Sensor_2.1 R23_Interface_Voltage_Sensor_2.2 R24_Interface_Voltage_Sensor_2.2 | length 9.5
  Top Layer w0.762: J2_Interface_Voltage_Sensor_2.1@23.495,138.43 R24_Interface_Voltage_Sensor_2.2@27.94,142.875 R23_Interface_Voltage_Sensor_2.2@27.94,146.05
NetJ2_nterface_Voltage_Sensor_1_1: J2_nterface_Voltage_Sensor_1.1 R23_nterface_Voltage_Sensor_1.2 R24_nterface_Voltage_Sensor_1.2 | length 7.2
  Top Layer w0.762: R24_nterface_Voltage_Sensor_1.2@29.21,172.72 R23_nterface_Voltage_Sensor_1.2@29.21,175.895 32.385,175.895 J2_nterface_Voltage_Sensor_1.1@33.02,176.53
NetQ1_Interface_CAN_1_2: Q1_1.2 R4_1.2 | length 8.4
  Top Layer w0.762: R4_1.2@45.085,105.41 45.085,108.785 48.014,111.714 48.849,111.714 Q1_1.2@48.895,111.76
NetQ1_Interface_CAN_2_2: Q1_Interface_CAN_2.2 R4_Interface_CAN_2.2 | length 7.7
  Top Layer w0.762: R4_Interface_CAN_2.2@40.64,80.01 40.762,80.132 40.762,80.967 44.839,85.044 45.674,85.044 Q1_Interface_CAN_2.2@45.72,85.09
NetQ2_2: Q2.2 R10.2 | length 16.8
  Top Layer w0.762: R10.2@13.105,69.686 16.915,73.496 Q2.2@28.345,73.496
NetQ3_2: Q3.2 R14.2 | length 8.1
  Top Layer w0.762: R14.2@43.585,59.526 49.099,59.526 50.234,58.391 50.505,58.391 50.64,58.256 Q3.2@51.205,58.256
NetQ4_Interface_Voltage_Sensor_2_1: Q4_Interface_Voltage_Sensor_2.1 R17_Interface_Voltage_Sensor_2.1 | length 7.4
  Top Layer w0.762: R17_Interface_Voltage_Sensor_2.1@43.18,158.75 45.426,156.504 45.426,152.694 Q4_Interface_Voltage_Sensor_2.1@45.72,152.4
NetQ4_Interface_Voltage_Sensor_2_2: Q4_Interface_Voltage_Sensor_2.2 Q5_Interface_Voltage_Sensor_2.1 | length 9.9
  Top Layer w0.762: Q5_Interface_Voltage_Sensor_2.1@36.83,152.4 37.394,152.4 37.44,152.354 38.146,152.354 40.557,149.943 40.64,149.86 Q4_Interface_Voltage_Sensor_2.2@45.72,149.86
NetQ4_nterface_Voltage_Sensor_1_1: Q4_nterface_Voltage_Sensor_1.1 R17_nterface_Voltage_Sensor_1.1 | length 12.7
  Top Layer w0.762: Q4_nterface_Voltage_Sensor_1.1@45.72,184.15 48.26,184.15 49.53,185.42 49.53,189.23 47.625,191.135 R17_nterface_Voltage_Sensor_1.1@45.72,191.135
NetQ4_nterface_Voltage_Sensor_1_2: Q4_nterface_Voltage_Sensor_1.2 Q5_nterface_Voltage_Sensor_1.1 | length 5.7
  Top Layer w0.762: Q5_nterface_Voltage_Sensor_1.1@40.005,181.61 Q4_nterface_Voltage_Sensor_1.2@45.72,181.61
NetQ5_Interface_Voltage_Sensor_2_2: Q5_Interface_Voltage_Sensor_2.2 R20_Interface_Voltage_Sensor_2.2 | length 15
  Top Layer w0.762: Q5_Interface_Voltage_Sensor_2.2@36.83,151.13 34.736,151.13 34.29,151.576 34.29,154.033 34.736,154.479 41.449,154.479 R20_Interface_Voltage_Sensor_2.2@43.18,156.21
NetQ5_nterface_Voltage_Sensor_1_2: Q5_nterface_Voltage_Sensor_1.2 R20_nterface_Voltage_Sensor_1.2 | length 8.5
  Top Layer w0.762: Q5_nterface_Voltage_Sensor_1.2@40.005,182.88 41.91,182.88 42.545,183.515 42.545,184.749 R20_nterface_Voltage_Sensor_1.2@45.72,187.924
NetQ6_2: Q6.2 R27.2 | length 8.9
  Top Layer w0.762: R27.2@40.64,35.56 Q6.2@49.53,35.56
NetQ7_2: Q7.2 R34.2 | length 6.9
  Top Layer w0.762: R34.2@59.69,22.86 62.23,20.32 Q7.2@62.23,16.986
NetR4_Interface_CAN_1_1: R4_1.1 U6_1.7 | length 16.4
  Top Layer w0.762: U6_1.7@32.385,116.84 32.526,116.699 35.584,116.699 38.735,113.548 38.735,110.204 37.465,108.934 R4_1.1@37.465,105.41
NetR4_Interface_CAN_2_1: R4_Interface_CAN_2.1 U6_Interface_CAN_2.7 | length 14.8
  Top Layer w0.762: U6_Interface_CAN_2.7@29.21,90.17 29.351,90.029 31.891,90.029 34.872,87.048 34.872,81.862 R4_Interface_CAN_2.1@33.02,80.01
NetR6_Interface_CAN_1_2: R6_1.2 R8_1.1 U6_1.5 | length 7.6
  Top Layer w0.762: R8_1.1@32.385,107.95 U6_1.5@32.385,111.76 R6_1.2@36.195,111.76
NetR6_Interface_CAN_2_2: R6_Interface_CAN_2.2 R8_Interface_CAN_2.1 U6_Interface_CAN_2.5 | length 8.1
  Top Layer w0.762: R8_Interface_CAN_2.1@27.94,81.28 27.94,83.683 29.21,84.953 U6_Interface_CAN_2.5@29.21,85.09 R6_Interface_CAN_2.2@33.02,85.09
NetR10_1: R10.1 U7.1 | length 10.5
  Top Layer w0.762: R10.1@20.725,69.686 20.725,64.606 U7.1@24.535,60.796
NetR14_1: R14.1 U7.7 | length 4.3
  Top Layer w0.762: U7.7@32.155,58.256 32.292,58.256 33.562,59.526 R14.1@35.965,59.526
NetR27_1: R27.1 U9.1 | length 2.5
  Top Layer w0.762: U9.1@40.64,25.4 R27.1@40.64,27.94
NetR32_1: R32.1 U10.1 | length 3.8
  Top Layer w0.762: U10.1@21.59,40.64 R32.1@21.59,44.45
NetR32_2: R32.2 U10.8 | length 3.8
  Top Layer w0.762: U10.8@29.21,40.64 R32.2@29.21,44.45
NetR34_1: R34.1 U9.7 | length 3.8
  Top Layer w0.762: U9.7@48.26,22.86 R34.1@52.07,22.86
NetR37_1: R37.1 U11.1 | length 3.8
  Top Layer w0.762: U11.1@20.32,16.51 R37.1@20.32,20.32
NetR37_2: R37.2 U11.8 | length 3.8
  Top Layer w0.762: U11.8@27.94,16.51 R37.2@27.94,20.32
NetU5_4: U5.4 U5.4_1 U5.4_2 U5.4_3 U5.4_4 U5.4_5 U5.4_6 U5.4_7 U5.4_8 U5.4_9 U5.4_10 U5.4_11 U5.4_12 U5.4_13 U5.4_14 U5.4_15 U5.4_16
NetU5_5: U5.5 U5.5_1 U5.5_2 U5.5_3 U5.5_4 U5.5_5 U5.5_6 U5.5_7 U5.5_8 U5.5_9 U5.5_10 U5.5_11 U5.5_12 U5.5_13 U5.5_14 U5.5_15 U5.5_16
OUT_ESP: P1.2 U2.J4_13 | length 6.7
  Bottom Layer w0.762: U2.J4_13@86.66,99.06 P1.2@93.345,99.06
OUT_FPGA: P1.1 U1.39 | length 49.9
  Bottom Layer w0.762: U1.39@90.17,49.53 95.25,54.61 95.25,94.615 P1.1@93.345,96.52
RTD2: J11.1 TP24.1 U10.2 U11.2 | length 52.4
  Top Layer w0.762: J11.1@4.508,38.798 J11.1@5.08,39.37 J11.1@5.1,39.39 ; 6.35,39.37 7.62,38.1 15.24,38.1 ; TP24.1@13.95,44.43 TP24.1@13.97,44.45 20.179,38.241 ; U11.2@20.32,13.97 19.05,13.97 15.24,17.78 15.24,38.1 ; U10.2@21.59,38.1 20.179,38.1 15.24,38.1
RTD3: J12.2 R31.2 | length 6.3
  Top Layer w0.762: J12.2@5.08,22.86 R31.2@11.43,22.86
TMP_DATA.TMP_DIG.DNGR: Q6.1 R25.1 TP17.1 U1.26 | length 102.5
  Top Layer w0.762: TP17.1@36.83,40.64 R25.1@41.91,40.64 45.72,36.83 Q6.1@49.53,36.83
  Bottom Layer w0.762: Q6.1@49.53,36.83 49.576,36.784 50.846,36.784 54.61,33.02 54.61,21.59 52.07,19.05 52.07,7.62 58.42,1.27 83.82,1.27 92.71,10.16 92.71,15.24 91.677,16.273 90.407,16.273 U1.26@90.17,16.51
TMP_DATA.TMP_DIG.WARN: Q7.1 R33.1 TP18.1 U1.27 | length 55.1
  Top Layer w0.762: R33.1@54.61,10.094 R33.1@54.61,10.16 TP18.1@54.61,16.51 Q7.1@60.96,16.51
  Bottom Layer w0.762: R33.1@54.61,10.16 56.515,8.255 72.336,8.255 84.94,20.859 88.352,20.859 90.161,19.05 U1.27@90.17,19.05
V+: R26.1 R30.2 TP23.1 U10.3 U11.3 | length 41
  Top Layer w0.762: TP23.1@10.16,16.51 13.848,12.822 13.848,11.552 R26.1@13.97,11.43 U11.3@20.32,11.43 23.113,14.223 23.113,22.805 19.055,26.863 19.055,27.935 R30.2@19.05,27.94 19.05,33.02 U10.3@21.59,35.56
VLT_1: Q4_nterface_Voltage_Sensor_1.5 R18_nterface_Voltage_Sensor_1.1 TP14_nterface_Voltage_Sensor_1.1 U2.J5_14 | length 70.1
  Top Layer w0.762: Q4_nterface_Voltage_Sensor_1.5@53.34,181.61 57.15,177.8 R18_nterface_Voltage_Sensor_1.1@57.15,175.26 TP14_nterface_Voltage_Sensor_1.1@57.15,167.64
  Bottom Layer w0.762: TP14_nterface_Voltage_Sensor_1.1@57.15,167.64 63.5,161.29 63.5,119.68 60.852,117.032 U2.J5_14@60.852,116.807
VLT_1_Interface_Voltage_Sensor_2: J6.2 R19_Interface_Voltage_Sensor_2.1 R19_nterface_Voltage_Sensor_1.1 | length 38.9
  Top Layer w0.762: J6.2@5.715,183.515 5.715,163.195 9.525,159.385 R19_Interface_Voltage_Sensor_2.1@13.335,159.385 ; J6.2@5.715,183.555 6.287,184.127 7.597,184.127 R19_nterface_Voltage_Sensor_1.1@12.7,189.23
VLT_2: Q4_Interface_Voltage_Sensor_2.5 R18_Interface_Voltage_Sensor_2.1 TP14_Interface_Voltage_Sensor_2.1 U1.15 | length 138.9
  Top Layer w0.762: Q4_Interface_Voltage_Sensor_2.5@53.34,149.86 57.15,153.67 57.15,156.34 57.785,156.975 57.785,160.475 57.15,161.11 TP14_Interface_Voltage_Sensor_2.1@57.15,161.29
  Bottom Layer w0.762: R18_Interface_Voltage_Sensor_2.1@57.15,156.21 57.15,53.34 U1.15@72.39,36.83
VLT_2_Interface_Voltage_Sensor_2: J6.1
VLT_BUFFER_Interface_Voltage_Sensor_2: TP13_Interface_Voltage_Sensor_2.1 U8_Interface_Voltage_Sensor_2.1 U8_Interface_Voltage_Sensor_2.3 U8_Interface_Voltage_Sensor_2.6 | length 21.1
  Top Layer w0.762: TP13_Interface_Voltage_Sensor_2.1@19.685,163.195 U8_Interface_Voltage_Sensor_2.1@24.13,158.75 ; U8_Interface_Voltage_Sensor_2.3@24.13,153.67 25.4,153.67 ; U8_Interface_Voltage_Sensor_2.1@24.291,158.589 25.561,158.589 26.708,157.442 26.708,154.978 25.4,153.67 ; U8_Interface_Voltage_Sensor_2.6@31.75,153.67 25.4,153.67
VLT_BUFFER_nterface_Voltage_Sensor_1: TP13_nterface_Voltage_Sensor_1.1 U8_nterface_Voltage_Sensor_1.1 U8_nterface_Voltage_Sensor_1.3 U8_nterface_Voltage_Sensor_1.6 | length 24.3
  Top Layer w0.762: TP13_nterface_Voltage_Sensor_1.1@16.51,195.58 20.955,191.135 U8_nterface_Voltage_Sensor_1.1@24.13,191.135 29.21,186.055 ; U8_nterface_Voltage_Sensor_1.3@24.13,186.055 29.21,186.055 ; U8_nterface_Voltage_Sensor_1.6@31.75,186.055 29.21,186.055
VLT_COMP_Interface_Voltage_Sensor_2: R20_Interface_Voltage_Sensor_2.1 TP16_Interface_Voltage_Sensor_2.1 U8_Interface_Voltage_Sensor_2.7 | length 14
  Top Layer w0.762: U8_Interface_Voltage_Sensor_2.7@31.75,156.21 R20_Interface_Voltage_Sensor_2.1@35.56,156.21 37.923,156.21 40.005,158.292 TP16_Interface_Voltage_Sensor_2.1@40.005,163.195
VLT_COMP_nterface_Voltage_Sensor_1: R20_nterface_Voltage_Sensor_1.1 TP16_nterface_Voltage_Sensor_1.1 U8_nterface_Voltage_Sensor_1.7 | length 18
  Top Layer w0.762: U8_nterface_Voltage_Sensor_1.7@31.75,188.595 34.925,188.595 35.56,187.96 R20_nterface_Voltage_Sensor_1.1@38.1,187.96 40.829,187.96 41.91,189.041 TP16_nterface_Voltage_Sensor_1.1@41.91,196.215
VREF_DNGR: R28.2 R29.2 TP19.1 U9.3 | length 14.8
  Top Layer w0.762: TP19.1@33.02,27.94 38.1,22.86 R28.2@38.1,20.32 ; R29.2@38.1,17.78 R28.2@38.1,20.32 ; U9.3@40.64,20.32 R28.2@38.1,20.32
VREF_Interface_Voltage_Sensor_2: J2_Interface_Voltage_Sensor_2.2 TP15_Interface_Voltage_Sensor_2.1 U8_Interface_Voltage_Sensor_2.5 | length 20.5
  Top Layer w0.762: J2_Interface_Voltage_Sensor_2.2@26.035,138.43 31.75,138.43 TP15_Interface_Voltage_Sensor_2.1@34.29,140.97 31.75,143.51 U8_Interface_Voltage_Sensor_2.5@31.75,151.13
VREF_nterface_Voltage_Sensor_1: J2_nterface_Voltage_Sensor_1.2 TP15_nterface_Voltage_Sensor_1.1 U8_nterface_Voltage_Sensor_1.5 | length 10.1
  Top Layer w0.762: TP15_nterface_Voltage_Sensor_1.1@27.94,179.07 J2_nterface_Voltage_Sensor_1.2@33.02,179.07 33.02,182.108 31.75,183.378 U8_nterface_Voltage_Sensor_1.5@31.75,183.515
VREF_WARN: R35.2 R36.2 TP20.1 U9.5 | length 24.3
  Top Layer w0.762: R35.2@40.64,11.43 43.18,11.43 ; TP20.1@43.18,3.81 46.868,7.498 48.138,7.498 R36.2@48.26,7.62 44.45,11.43 43.18,11.43 ; U9.5@48.26,17.78 48.26,16.51 43.18,11.43
pads on no net: J4.1 Q4_Interface_Voltage_Sensor_2.3 Q4_Interface_Voltage_Sensor_2.6 Q4_nterface_Voltage_Sensor_1.3 Q4_nterface_Voltage_Sensor_1.6 U1.3 U1.4 U1.5 U1.6 U1.7 U1.8 U1.9 U1.10 U1.11 U1.12 U1.16 U1.18 U1.19 U1.20 U1.22 U1.23 U1.25 U1.28 U1.29 U1.30 U1.31 U1.32 U1.33 U1.34 U1.35 U1.36 U1.37 U1.38 U1.40 U1.41 U1.42 U1.43 U1.44 U1.45 U1.46 U1.47 U1.48 U1.49 U1.50 U1.Un1 U2. U2.J4_2 U2.J4_4 U2.J4_5 U2.J4_8 U2.J4_9 U2.J4_11 U2.J4_12 U2.J4_14 U2.J4_15 U2.J4_16 U2.J4_17 U2.J4_18 U2.J4_19 U2.J5_2 U2.J5_3 U2.J5_4 U2.J5_5 U2.J5_7 U2.J5_8 U2.J5_9 U2.J5_10 U2.J5_11 U2.J5_12 U2.J5_16 U2.J5_17 U2.J5_18 U2.J5_19 U3.5 U3.6 U3.7 U3.8 U4.3 U4.4 U4.5 U4.6 U10.7 U11.7

## Polygon pours and split planes (outlines as drawn)
GND on Top Layer "GND_L01_P000" (solid, remove dead copper, pour order 0): -1.905,130.81 6.985,130.81 12.065,130.81 14.605,130.81 60.325,130.81 101.6,130.81 101.6,-2.54 -1.905,-2.54

## Keep-outs
Keep-Out Layer:
  the board outline again, w0.254

## Silkscreen, mask and mechanical layers (free items; w line width, h text height)
Mechanical 1:
  the board outline again, w0.254